# Altium PCB PFC_Stage.PcbDoc (part 3 of 5) (continued)
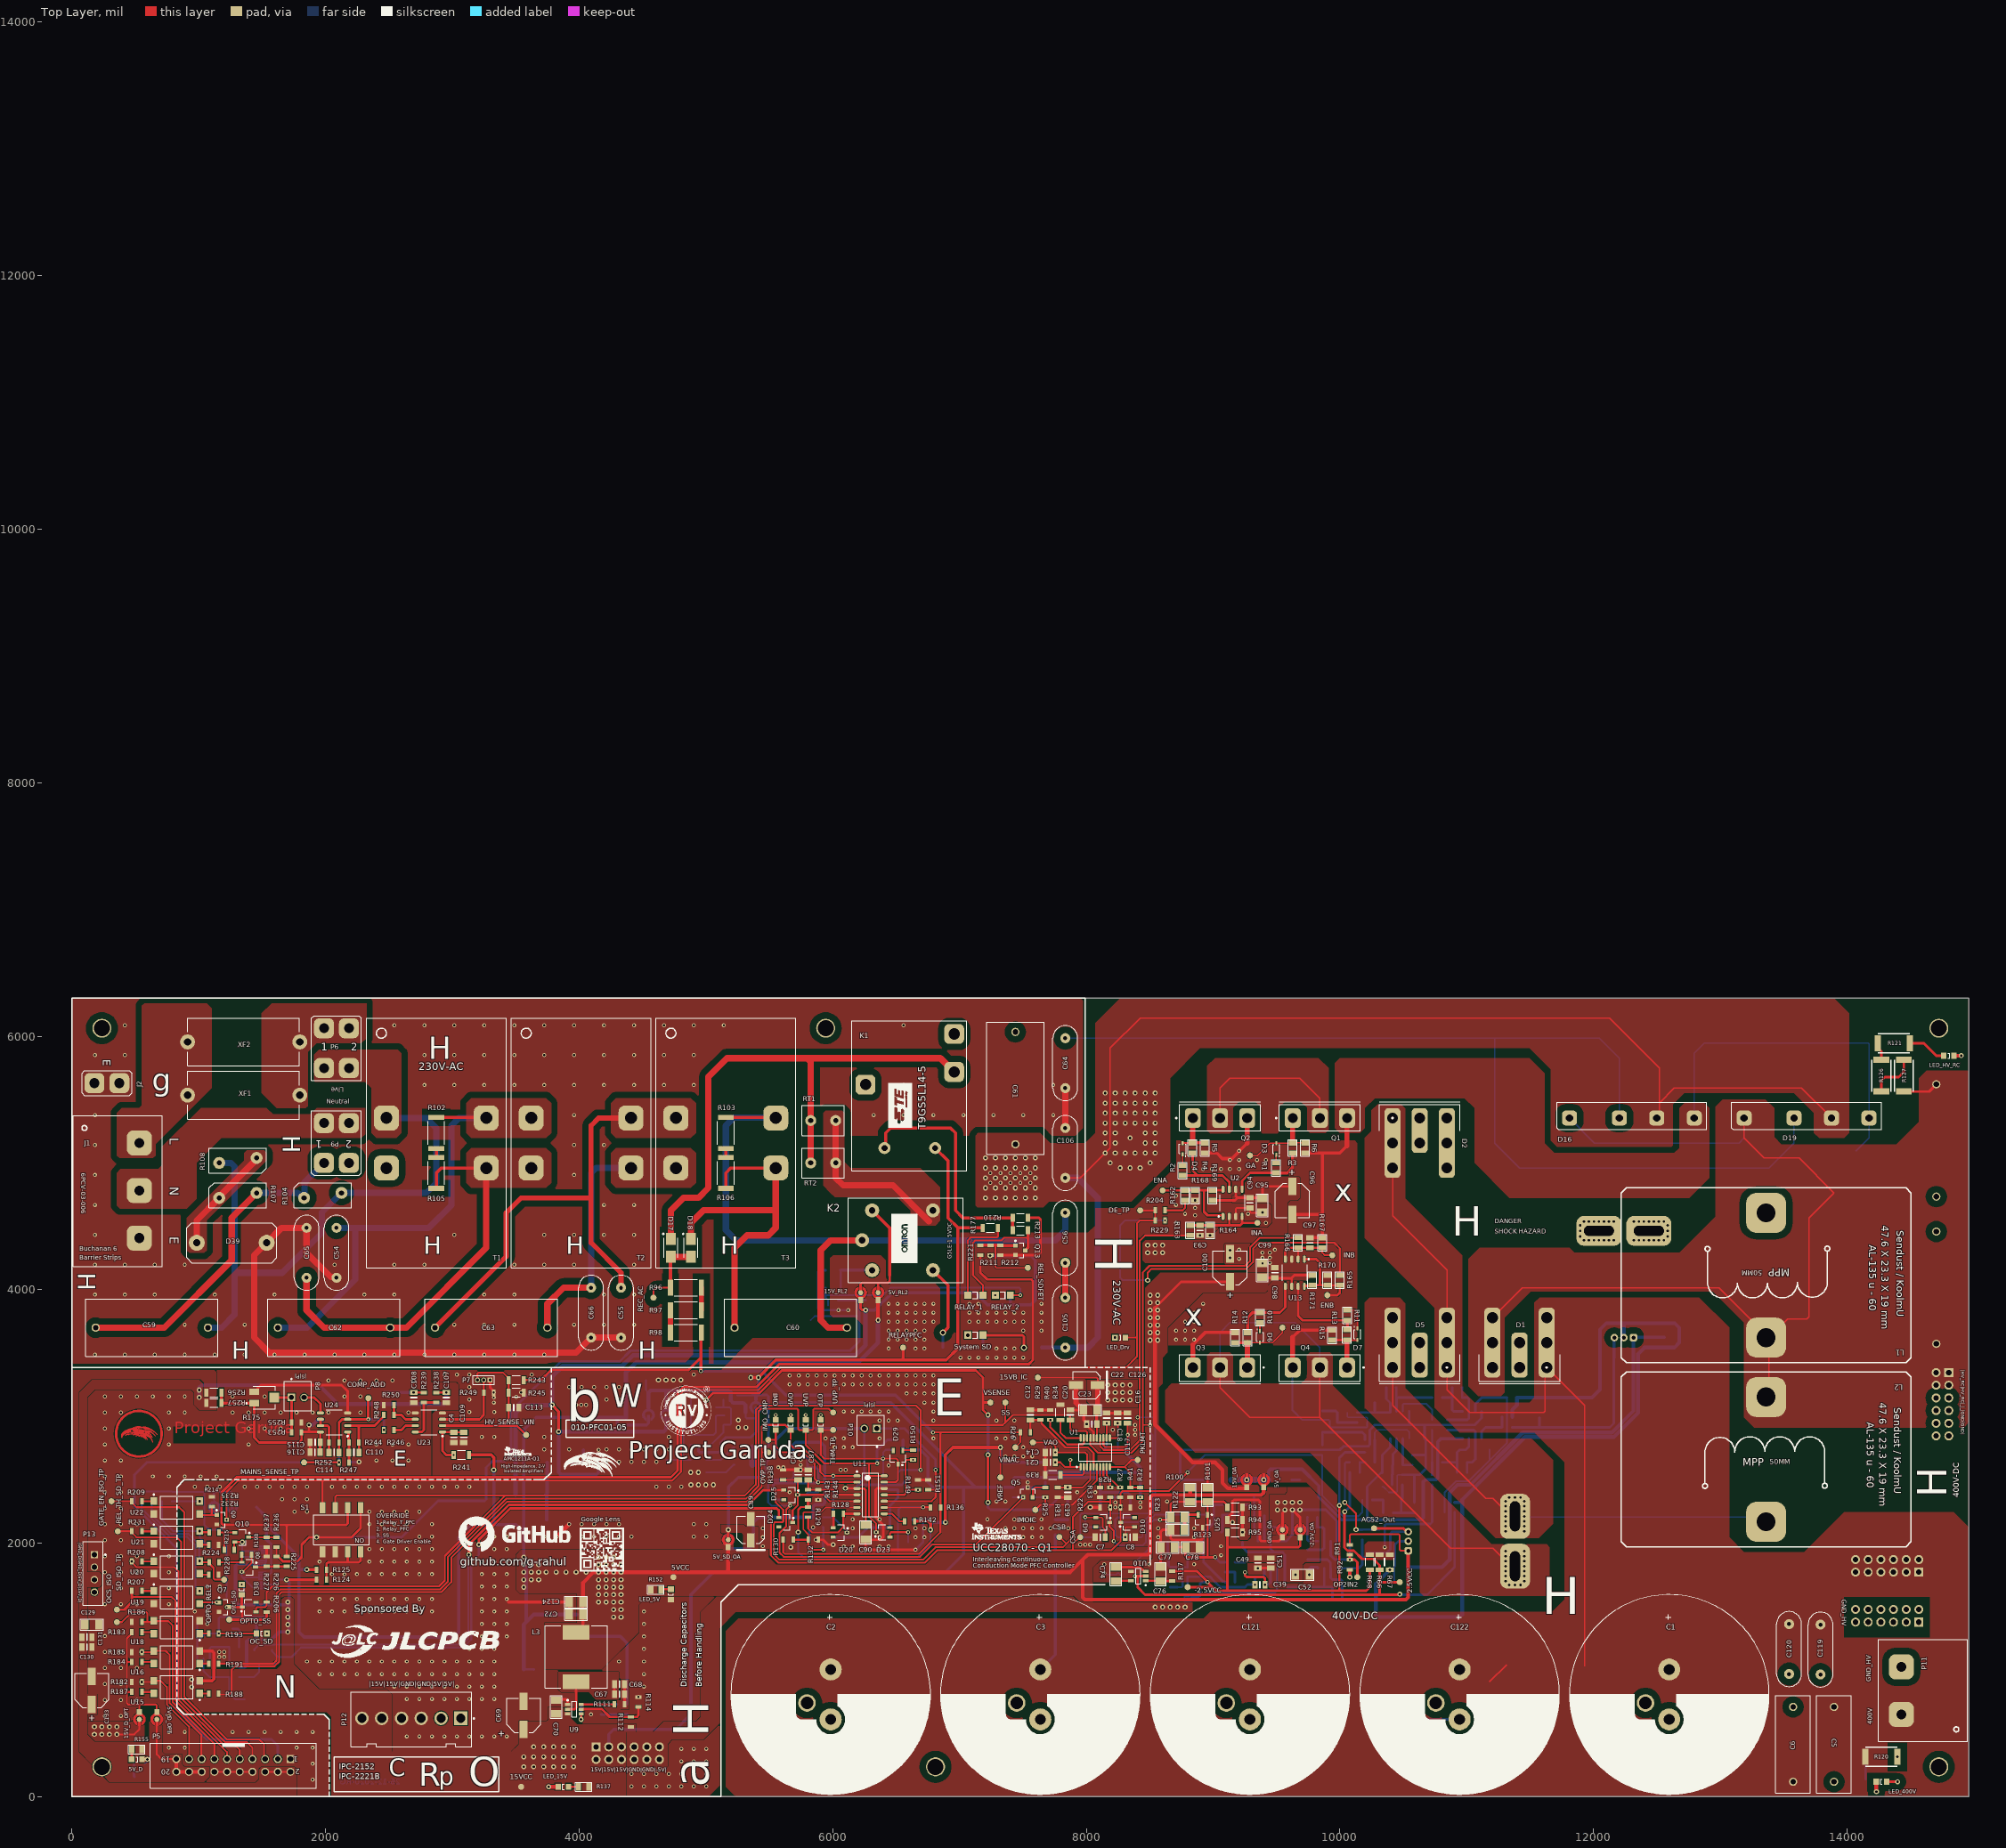
[diagram p0: Top Layer view]
## Nets (pads, with @x,y where several pads share a name; then routed paths per layer and width w, separated by ;. In a path a pad name is that pad's centre, name@x,y a point inside that pad or via, vN(x,y) a via of type N, cw(c..) or ccw(c..) an arc to the next point about the centre after c; other vN are vias at no path point) (continued)
  other v2: 5669.29,1968.5 4881.89,2460.63 4940.94,2460.63 5000,2460.63 5059.06,2460.63 4880.91,2559.06 4940.94,2559.06 5255.91,2913.39 5314.96,2913.39 5255.91,2972.44 4625.98,3287.4 4685.04,3287.4 4744.09,3287.4 4803.15,3287.4 9133.86,4251.97 9133.86,4311.02 8897.64,4428.5 8976.38,4428.5 8858.27,4704.09
HV_RC: C57.2 C58.2 D1.3 D16.1 D19.1 L1.1 L2.1 P1.1 P1.2 P1.3 P1.4 R127.2 | length 7277.4
  Top Layer w10: D1.3@11203.15,3779.53 11439.37,4015.75 12992.13,4015.75 L1.1@13385.83,3622.05 ; D19.1@13188.98,5354.33 13188.98,5196.85 13346.46,5039.37 13622.05,5039.37 13897.64,4763.78 13700.79,4566.93 13700.79,3785.39 13682.57,3767.17 13530.95,3767.17 L1.1@13385.83,3622.05 ; L2.1@13385.83,3188.98 L1.1@13385.83,3622.05
  Top Layer w20: R127.2@14448.82,5563.48 14648.12,5563.48 C57.2@14704.72,5620.08
  Bottom Layer w10: D16.1@11811.02,5354.33 12007.87,5157.48 13149.61,5157.48 13188.98,5196.85 D19.1@13188.98,5354.33
IMO_EN_3: D26.1 Q5.1 R21.1 R24.2 | length 3202.1
  Top Layer w15: v1(5664.81,2296.71) 5633.72,2265.62 5633.72,2132.65 5581.08,2080.01 5581.08,1925.94 5614.07,1892.95 6689.08,1892.95 6787.51,1991.38 7133.11,1991.38 7501.97,2360.24 v1(7501.97,2362.2)
  Bottom Layer w15: v1(5664.81,2296.71) 5517.17,2296.71 5491.52,2322.37 5491.52,2460.02 5532.7,2501.21 5668.39,2501.21 5693.9,2526.71 D26.1@5693.9,2561.02 ; R21.1@7421.26,2362.2 R24.2@7500,2362.2 v1(7501.97,2362.2)
J1L_2: J1.1 XF1.1 XF2.1
J1N_2: J1.2 P9.2
LIVE_2: C61.2 C64.2 D16.2 D17.2 D19.2 K1.2 RT1.1 RT2.1 | length 12844.7
  Top Layer w50: D17.2@4724.41,4401.57 4724.41,4625.98 4822.83,4724.41 4940.94,4724.41 5019.49,4802.95 5019.49,5679.18 5167.08,5826.77 5797.48,5826.77 ; RT2.1@5826.77,5000 RT1.1@5826.77,5334.65 5826.77,5797.48 5797.48,5826.77 ; K1.2@6958.66,5717.72 6849.61,5826.77 5797.48,5826.77
  Bottom Layer w10: C64.2@7834.65,5984.25 11220.47,5984.25 ; D16.2@12204.72,5354.33 12204.72,5826.77 12047.24,5984.25 11220.47,5984.25 ; D19.2@13558.15,5329.8 D19.2@13582.68,5354.33 13582.68,5157.48 13385.83,4960.63 11417.32,4960.63 11220.47,5157.48 11220.47,5984.25
Mains_Sense: C111.1 MAINS_SENSE_TP.1 P5.3 R247.2 R251.1 | length 5020.5
  Top Layer w15: MAINS_SENSE_TP.1@1830.71,2637.8 v1(2106.3,2637.8)
  Bottom Layer w20: P5.3@1623.62,296.85 1623.62,403.94 1574.8,452.76 1062.99,452.76 826.77,688.98 826.77,1959.33 492.13,2293.97 492.13,2539.37 590.55,2637.8 v1(2106.3,2637.8) 2105.98,2638.11 2105.98,2716.22 C111.1@2105.67,2716.54
Net5V_D_2: 5V_D.2 R155.2 | length 79.3
  Top Layer w20: 5V_D.2@470.47,295.28 471.14,295.94 471.14,373.35 R155.2@471.81,374.02
Net5V_D_OPT_1: 5V_D_OPT.1 15V_D_OPT.1 R183.2 R184.2 R187.1 | length 1012.5
  Top Layer w15: R187.1@472.44,826.77 433.07,826.77 ; R184.2@472.44,1062.99 433.07,1062.99 ; R183.2@472.44,1299.21 472.44,1288.39 433.07,1249.02 433.07,1062.99 ; 15V_D_OPT.1@531.5,669.29 531.5,722.31 525.46,728.35 ; 5V_D_OPT.1@669.29,669.29 669.29,719.56 660.5,728.35 531.5,728.35 525.46,728.35 ; 433.07,826.77 433.07,737.13 441.86,728.35 525.46,728.35 ; 433.07,826.77 433.07,1062.99
Net5V_OPT_1: 5V_OPT.1 15V_OPT.1 R200.2 R201.2 R202.2 R203.2 R205.2 R230.2 | length 1812.5
  Bottom Layer w15: R200.2@551.18,2407.48 R201.2@629.92,2407.48 R230.2@708.66,2407.48 R202.2@787.4,2407.48 789.86,2405.02 1043.31,2405.02 ; 15V_OPT.1@1122.05,2342.52 1119.59,2344.98 1119.59,2405.02 ; R203.2@1220.47,1574.8 R205.2@1220.47,2106.3 1082.68,2106.3 1043.31,2145.67 1043.31,2405.02 ; 5V_OPT.1@1262.91,2347.96 1262.91,2396.23 1254.13,2405.02 1119.59,2405.02 ; 1043.31,2405.02 1119.59,2405.02
Net5V_PNP_R1_1: 5V_PNP_R1.1 15V_PNP_R1.1 Q8.2 R198.2 | length 500.6
  Top Layer w15: v1(1339.36,1774.71) 1347.23,1774.71 1417.32,1844.8 R198.2@1417.32,1909.45
  Bottom Layer w15: v1(1339.36,1774.71) 1339.36,1736.52 1346.36,1729.52 ; 15V_PNP_R1.1@1470.98,1653.54 1422.33,1653.54 1346.36,1729.52 ; 5V_PNP_R1.1@1470.98,1729.97 1469.09,1729.97 1468.64,1729.52 1346.36,1729.52
Net5V_PNP_R2_1: 5V_PNP_R2.1 15V_PNP_R2.1 Q10.2 R215.2 | length 586.1
  Top Layer w15: R215.2@1279.53,1948.82 1279.53,2005.53 1283.68,2009.69 1343.03,2009.69 v2(1343.19,2009.53)
  Bottom Layer w15: v2(1343.19,2009.53) 1343.19,1938.67 ; 5V_PNP_R2.1@1471.6,1938.19 1463.28,1938.19 1462.81,1938.67 1343.19,1938.67 ; 15V_PNP_R2.1@1530.98,1852.38 1532.96,1854.36 1532.96,1883.6 1524.17,1892.38 1355.65,1892.38 1343.19,1904.84 1343.19,1938.67
Net5V_RL1_1: 5V_RL1.1 15V_RL1.1 Q6.2 R156.2 RD_Bypass.2 RDFET.1 | length 2260.9
  Bottom Layer w12: RDFET.1@4527.56,3287.4 4527.56,3206.84 4547.24,3187.15
  Bottom Layer w15: 5312.85,3032.25 5312.85,2994.83 5321.64,2986.05 5393.7,2986.05
  Bottom Layer w20: R156.2@4880.91,2775.59 4932.16,2775.59 4940.94,2766.8 4940.94,2725.32 4949.73,2716.54 5100.54,2716.54 5118.11,2734.11 5118.11,2795.28 5157.48,2834.65 5354.33,2834.65 5393.7,2874.02 5393.7,2986.05 RD_Bypass.2@5393.7,3070.87
  Bottom Layer w30: 5V_RL1.1@4547.24,3070.87 4547.24,3187.15 4564.82,3204.72 4700.79,3204.72 ; 15V_RL1.1@4685.04,3070.87 4685.04,3188.98 4700.79,3204.72 ; 5312.85,3032.25 5312.85,3089.71 5295.28,3107.28 5214.42,3107.28 5196.85,3124.86 5196.85,3187.15 5179.28,3204.72 Q6.2@5137.8,3204.72 4700.79,3204.72
Net5V_RL2_2: 5V_RL2.2 15V_RL2.2 K2.5 | length 1013.1
  Top Layer w20: 15V_RL2.2@6220.47,3976.38 6220.47,4043.4 6232.19,4055.12 6358.27,4055.12 ; 5V_RL2.2@6358.27,3965.2 6358.27,4055.12 ; 6450.12,4111.59 6450.12,4066.83 6438.4,4055.12 6358.27,4055.12
  Top Layer w25: K2.5@6311.02,4625.98 6450.12,4486.89 6450.12,4111.59
Net15V_D_2: 15V_D.2 R180.2 | length 98.6
  Bottom Layer w20: 15V_D.2@490.16,255.91 490.16,160.08 R180.2@492.13,158.11
NetACS1OPO_1: ACS1OPO.1 C25.2 R45.1 R50.1 R54.1 U4.1 | length 547.8
  Bottom Layer w20: R50.1@10137.8,3031.5 R54.1@10216.54,3031.5 10275.59,3031.5 ; ACS1OPO.1@10275.59,3110.24 10275.59,3031.5 ; R45.1@10366.08,3228.35 10365.75,3228.01 10365.75,3149 C25.2@10365.41,3148.66 10365.41,3138.66 10397.44,3106.63 U4.1@10397.44,3040.35 10397.44,3033.17 10395.77,3031.5 10275.59,3031.5
NetACS2OPO_1: ACS2OPO.1 C40.2 R72.1 R77.1 R81.1 U7.1 | length 471.6
  Bottom Layer w20: R77.1@9232.28,2303.15 9321.61,2303.15 9325.06,2299.7 9325.06,2217.26 C40.2@9324.72,2216.92 9325.06,2216.59 9325.06,2126.32 R72.1@9325.39,2125.98 9325.39,2115.16 9354.13,2086.42 U7.1@9354.13,2016.73 ; ACS2OPO.1@9323.33,2380.91 9324.36,2379.87 9324.36,2300.7 R81.1@9325.39,2299.67
NetC4_1: C4.1 C109.1 C112.2 R241.1 U23.1 | length 421.2
  Top Layer w15: C4.1@3011.81,2874.65 C109.1@3090.55,2874.65
  Top Layer w20: v1(3010.83,2696.85) 2952.76,2696.85 2922.24,2727.36 U23.1@2922.24,2877.76 2922.94,2877.06 3009.39,2877.06 C4.1@3011.81,2874.65
NetC7_2: C7.2 D8.1 D9.1 R16.2 | length 590.6
  Top Layer w12: v1(7992.13,2204.72) 7993.11,2203.74 8074.8,2203.74 D9.1@8075.79,2202.76 8122.89,2202.76 8129.92,2195.73 8129.92,2124.65 8150.24,2104.33 C7.2@8150.24,2047.24
  Bottom Layer w12: v1(7992.13,2204.72) 7992.13,2145.67 8009.84,2127.95 D8.1@8075.79,2127.95 8077.76,2125.98 8129.92,2125.98 8150.24,2105.67 R16.2@8150.24,2047.24
NetC8_2: C8.2 D10.1 D11.1 R17.2 | length 515.8
  Top Layer w12: C8.2@8306.46,2047.24 v1(8307.09,2047.87) 8307.09,2120.92 8314.12,2127.95 D10.1@8380.91,2127.95
  Bottom Layer w15: v1(8307.09,2047.87) R17.2@8306.46,2047.24 8248.03,2047.24 8228.35,2066.93 8228.35,2185.04 8246.06,2202.76 D11.1@8380.91,2202.76
NetC9_2: C9.2 R28.1 U1.8 | length 178.5
  Top Layer w15: U1.8@8134.84,2602.36 8134.84,2529.83 8187.45,2477.22 R28.1@8187.45,2445.7
  other v1: 8188.98,2440.94
NetC10_2: C10.2 R27.2 U1.9 | length 212.2
  Top Layer w15: U1.9@8160.43,2602.36 8160.43,2537.4 8256.89,2440.94 R27.2@8267.72,2440.94
  other v1: 8267.72,2441.57
NetC11_1: C11.1 IMOIC.1 R18.2 R25.1 U1.6 | length 834.4
  Top Layer w15: IMOIC.1@7598.43,2263.78 7637.8,2303.15 7696.85,2303.15 ; R25.1@7677.17,2362.2 v1(7677.17,2361.22) 7677.17,2322.83 7696.85,2303.15 ; U1.6@8083.66,2602.36 8083.66,2495.17 7891.65,2303.15 7696.85,2303.15
  Bottom Layer w15: C11.1@7598.43,2361.57 7676.81,2361.57 v1(7677.17,2361.22)
NetC12_1: C12.1 R26.1 R29.1 U1.5 | length 825.6
  Top Layer w15: R26.1@7559.06,2874.02 C12.1@7559.06,2971.81 7559.37,2972.13 7637.48,2972.13 R29.1@7637.8,2972.44 7639.32,2972.44 7645.6,2966.16 7645.6,2944.95 7834.65,2755.91 8011.81,2755.91 8058.07,2709.65 U1.5@8058.07,2602.36
NetC13_1: C13.1 C14.1 U1.3 VAO.1 | length 594.3
  Top Layer w15: VAO.1@7578.74,2795.28 7725.59,2795.28 7756.55,2764.32 v1(7756.55,2716.54) 7992.13,2716.54 8006.37,2702.29 8006.37,2602.88 U1.3@8006.89,2602.36
NetC13_2: C13.2 R35.1 | length 79.4
  Bottom Layer w15: C13.2@7676.54,2716.54 7676.85,2716.85 7676.85,2794.96 R35.1@7677.17,2795.28 R35.1@7676.85,2795.59
NetC15_1: C15.1 C16.1 CAB.1 U1.11 | length 384.1
  Top Layer w15: U1.11@8186.02,2830.71 8239.24,2830.71 8248.03,2839.5 v1(8248.02,2947.07)
  Bottom Layer w15: CAB.1@8248.03,2736.22 v1(8248.02,2947.07)
NetC15_2: C15.2 R36.1 | length 78.5
  Bottom Layer w15: C15.2@8248.02,3027.07 8248.36,3026.72 8325.94,3026.72 R36.1@8326.28,3026.38
NetC17_1: C17.1 C18.1 CAO.1 U1.12 | length 337.4
  Top Layer w15: U1.12@8160.43,2830.71 8160.43,2946.78 v1(8161.07,2947.41)
  Bottom Layer w15: CAO.1@8138.71,2736.22 8138.71,2738.77 8161.07,2761.13 v1(8161.07,2947.41)
NetC17_2: C17.2 R37.1 | length 79.8
  Bottom Layer w15: R37.1@8081.47,3027.84 8160.63,3027.84 C17.2@8161.07,3027.41
NetC19_1: C19.1 R30.1 R31.1 U1.4 | length 383.4
  Top Layer w15: R31.1@7775.59,2440.32 7775.91,2440.63 7854.02,2440.63 v1(7854.33,2440.94) 7972.44,2440.94 8032.48,2500.98 U1.4@8032.48,2602.36
NetC21_1: C21.1 CDR.1 R38.1 U1.1 | length 269
  Top Layer w12: 7874.02,2602.36 v1(7874.02,2657.48)
  Top Layer w15: v1(7756.54,2637.8) 7795.28,2637.8 7830.71,2602.36 7874.02,2602.36 U1.1@7955.71,2602.36
NetC24_1: C24.1 R42.1 R43.2 U4.6 | length 283.6
  Bottom Layer w20: U4.6@10497.44,2825.79 10497.44,2693.19 R43.2@10498.35,2692.29 10497.69,2691.62 10497.69,2618.77 C24.1@10497.03,2618.11 10497.86,2617.27 R42.1@10571.7,2617.27
NetC24_2: C24.2 R43.1 R49.1 R53.1 U4.7 | length 379.3
  Bottom Layer w20: R49.1@10413.39,2460.63 R53.1@10413.39,2539.37 10415.21,2541.19 10415.21,2616.29 C24.2@10417.03,2618.11 10418.32,2619.4 10418.32,2690.99 R43.1@10419.61,2692.29 10419.61,2703.11 10447.44,2730.95 U4.7@10447.44,2825.79
NetC25_1: C25.1 R44.1 R45.2 U4.2 | length 473
  Bottom Layer w20: R45.2@10444.82,3228.35 10445.12,3228.05 10445.12,3148.96 C25.1@10445.41,3148.66 ; U4.2@10447.44,3040.35 10447.44,3146.63 C25.1@10445.41,3148.66 ; R44.1@10728.35,3149.61 10445.41,3149.61 C25.1@10445.41,3148.66
NetC27_1: C27.1 R46.1 R52.2 U3.2 | length 465.8
  Bottom Layer w20: R52.2@10846.46,2972.44 11006.59,2972.44 11018.31,2984.16 U3.2@11018.31,3040.35 11018.31,3135.24 11003.94,3149.61 C27.1@10965.2,3149.61 10964.88,3149.92 10964.88,3228.03 R46.1@10964.57,3228.35
NetC27_2: C27.2 R44.2 R46.2 U3.1 | length 342.6
  Bottom Layer w20: R44.2@10807.09,3149.61 C27.2@10885.2,3149.61 ; R46.2@10885.83,3228.35 10885.51,3228.03 10885.51,3149.92 C27.2@10885.2,3149.61 ; U3.1@10968.31,3040.35 10896.91,3040.35 10885.2,3052.07 C27.2@10885.2,3149.61
NetC28_2: C28.2 D13.2 R48.1 R50.2 | length 359.7
  Bottom Layer w20: D13.2@9862.2,3043.31 9968.5,3043.31 9980.32,3031.5 R48.1@9980.32,2952.76 9980.63,2952.44 10058.74,2952.44 C28.2@10059.06,2952.13 10059.37,2952.44 10137.48,2952.44 R50.2@10137.8,2952.76
NetC29_2: C29.2 D12.2 R47.1 R49.2 | length 390.6
  Bottom Layer w20: R47.1@10421.34,2240.79 10421.44,2240.68 10484.65,2240.68 ; R49.2@10492.13,2460.63 10492.13,2350.39 D12.2@10484.25,2342.52 10484.25,2241.08 10484.65,2240.68 ; C29.2@10588.52,2240.68 10484.65,2240.68
NetC30_1: C30.1 R58.1 R59.2 U3.7 | length 451
  Bottom Layer w20: R59.2@10807.09,2637.8 10862.72,2637.8 C30.1@10924.57,2637.8 ; R58.1@10925.2,2559.06 10924.88,2559.37 10924.88,2637.48 C30.1@10924.57,2637.8 ; U3.7@11018.31,2825.79 11018.31,2762.31 10992.22,2736.22 10944.88,2736.22 10925.2,2716.54 10925.2,2638.43 C30.1@10924.57,2637.8
NetC30_2: C30.2 R52.1 R58.2 U3.6 | length 599
  Bottom Layer w20: R52.1@10846.46,2893.7 11056.59,2893.7 11068.31,2881.99 11068.31,2662.8 11043.31,2637.8 C30.2@11004.57,2637.8 11004.25,2637.48 11004.25,2559.37 R58.2@11003.94,2559.06
NetC31_2: C31.2 R176.1 U3.5 | length 314.2
  Bottom Layer w20: U3.5@11118.31,2825.79 11118.31,2881.99 11149.71,2913.39 R176.1@11279.53,2913.39 C31.2@11279.53,2997.13
NetC39_1: C39.1 R69.1 R70.2 U7.6 | length 406.5
  Top Layer w20: v1(9251.97,1771.65) 9251.97,1745.17 9263.68,1733.45 9398.36,1733.45 9410.08,1721.74 C39.1@9410.08,1673.23
  Bottom Layer w20: v1(9409.44,1673.23) 9437.1,1673.23 9454.13,1690.26 U7.6@9454.13,1802.17
NetC39_2: C39.2 R70.1 R76.1 R80.1 U7.7 | length 842.2
  Bottom Layer w20: R76.1@8799.21,1653.54 R80.1@8799.21,1732.28 8802.31,1735.38 8975.24,1735.38 9008.17,1702.45 9057.08,1653.54 9112.16,1653.54 9251.97,1653.54 9271.66,1673.24 v1(9330.71,1673.24) 9330.71,1720.57 9342.42,1732.28 9392.42,1732.28 9404.13,1744 U7.7@9404.13,1802.17
NetC40_1: C40.1 R71.1 R72.2 U7.2 | length 382.9
  Bottom Layer w20: U7.2@9404.13,2016.73 R72.2@9404.13,2125.98 ; C40.1@9404.72,2216.92 9404.43,2216.63 9404.43,2126.28 R72.2@9404.13,2125.98 ; R71.1@9586.61,2125.98 R72.2@9404.13,2125.98
NetC42_1: C42.1 R73.1 R79.2 U6.2 | length 424.9
  Bottom Layer w20: R79.2@9744.09,1948.82 9862.2,1948.82 9876.57,1963.19 U6.2@9876.57,2016.73 9876.57,2111.61 9862.2,2125.98 C42.1@9823.46,2125.98 9823.15,2126.3 9823.15,2204.41 R73.1@9822.83,2204.72
NetC42_2: C42.2 R71.2 R73.2 U6.1 | length 342.6
  Bottom Layer w20: R71.2@9665.35,2125.98 C42.2@9743.46,2125.98 ; R73.2@9744.09,2204.72 9743.78,2204.41 9743.78,2126.3 C42.2@9743.46,2125.98 ; U6.1@9826.57,2016.73 9755.18,2016.73 9743.46,2028.45 C42.2@9743.46,2125.98
NetC43_2: C43.2 D15.2 R75.1 R77.2 | length 299.1
  Bottom Layer w20: D15.2@9066.93,2086.61 9074.8,2094.49 R75.1@9074.8,2224.41 9075.12,2224.09 9153.23,2224.09 C43.2@9153.54,2223.78 9153.86,2224.09 9231.97,2224.09 R77.2@9232.28,2224.41
NetC44_2: C44.2 D14.2 R74.1 R76.2 | length 386
  Bottom Layer w15: R76.2@8720.47,1653.54 8751.06,1653.54 8759.84,1662.33 8759.84,1802.24 8768.63,1811.02 R74.1@8799.21,1811.02
  Bottom Layer w20: C44.2@8662.05,1653.54 R76.2@8720.47,1653.54 ; D14.2@8791.34,1909.45 8799.21,1901.57 R74.1@8799.21,1811.02
NetC45_1: C45.1 R85.1 R86.2 U6.7 | length 423.8
  Bottom Layer w20: R86.2@9744.09,1653.54 9876.57,1653.54 ; U6.7@9876.57,1802.17 9876.57,1653.54 ; R85.1@9940.94,1574.8 9940.63,1575.12 9940.63,1653.23 C45.1@9940.32,1653.54 9890.32,1653.54 9876.57,1653.54
NetC45_2: C45.2 R79.1 R85.2 U6.6 | length 541.4
  Bottom Layer w20: R79.1@9744.09,1870.08 9901.57,1870.08 9925.88,1845.77 9925.88,1802.86 U6.6@9926.57,1802.17 9926.57,1726.97 9940.94,1712.6 10008.28,1712.6 10019.06,1701.83 10019.06,1654.17 10020,1653.23 10020,1575.12 R85.2@10019.69,1574.8
NetC54_2: C54.2 C62.2 R102.1 T1.4 T2.3 | length 3479.4
  Top Layer w25: R102.1@2874.02,5358.27 3263.78,5358.27 T1.4@3267.72,5354.33
  Bottom Layer w50: C62.2@1624.02,3700.79 1854.66,3700.79 2234.01,4080.14 2234.01,4488.19 ; C54.2@2086.61,4488.19 2234.01,4488.19 ; T1.4@3267.72,5354.33 3051.18,5354.33 2992.13,5295.28 2992.13,4665.35 2814.96,4488.19 2234.01,4488.19
NetC55_2: C55.2 C63.2 T2.4 T3.3 | length 3572.9
  Top Layer w39.37: C63.2@2864.17,3700.79 3425.2,4261.81 3425.2,4606.3 3543.31,4724.41 4094.49,4724.41 ; C55.2@4330.71,4015.75 4330.71,4133.86 4094.49,4370.08 4094.49,4724.41 ; T2.4@4409.45,5354.33 4153.54,5354.33 4094.49,5295.28 4094.49,4724.41
NetC56_1: C56.1 C105.2 | length 275.6
  Top Layer w50: C105.2@7834.65,3937.01 C56.1@7834.65,4212.6
NetC56_2: C56.2 C60.2 K1.1 K2.1 R103.1 T3.4 | length 5665.4
  Top Layer w20: T3.4@5547.24,5358.27 T3.4@5551.18,5354.33
  Top Layer w25: R103.1@5157.48,5358.27 T3.4@5547.24,5358.27
  Top Layer w50: C60.2@6112.2,3700.79 5964.57,3700.79 5905.51,3759.84 5905.51,4311.02 5984.25,4389.76 K2.1@6232.28,4389.76
  Bottom Layer w50: T3.4@5551.18,5354.33 5547.24,5358.27 5220.47,5358.27 5157.48,5295.28 5157.48,4468.5 5236.22,4389.76 K2.1@6232.28,4389.76 7755.91,4389.76 7834.65,4468.5 C56.2@7834.65,4606.3
NetC59_1: C59.1 P9.1 R104.1 R107.2 T1.1 | length 2637.2
  Top Layer w50: C59.1@187.01,3700.79 728.35,3700.79 1259.84,4232.28 1259.84,4566.93 R107.2@1456.69,4763.78
  Bottom Layer w50: R107.2@1456.69,4763.78 1779.3,4763.78 1818.67,4724.41 R104.1@1830.71,4724.41 1834.84,4728.54 1834.84,4846.65 P9.1@1988.19,5000
NetC59_2: C59.2 P6.2 R104.2 R108.2 T1.3 | length 4393.1
  Bottom Layer w50: C59.2@1072.83,3700.79 1181.1,3700.79 1283.66,3803.35 1283.66,4133.86 ; R108.2@1161.42,5000 1254.37,5000 1283.66,4970.71 1283.66,4133.86 ; T1.3@2480.31,5354.33 2795.28,5354.33 2874.02,5275.59 2874.02,4842.52 2795.28,4763.78 R104.2@2125.98,4763.78 1972.24,4610.04 1972.24,4448.3 1657.81,4133.86 1283.66,4133.86
NetC62_1: C62.1 C65.1 R105.2 T1.2 T2.1 | length 3153.2
  Top Layer w25: R105.2@2874.02,4799.21 2874.02,4921.26 2913.39,4960.63 T1.2@3267.72,4960.63
  Top Layer w50: C65.1@1850.39,4094.49 1850.39,3838.58 1988.19,3700.79 C62.1@2509.84,3700.79 2637.8,3700.79 3267.72,4330.71 T1.2@3267.72,4960.63
NetC63_1: C63.1 C66.1 T2.2 T3.1 | length 1821.3
  Top Layer w50: C63.1@3750,3700.79 3750,3887.8 3877.95,4015.75 C66.1@4094.49,4015.75
  Bottom Layer w50: C66.1@4094.49,4015.75 4094.49,4921.26 4133.86,4960.63 T2.2@4409.45,4960.63
NetC67_1: C67.1 C68.1 R111.1 | length 167.7
  Top Layer w20: R111.1@4358.27,730.32 4358.58,730.63 4358.58,798.74 C67.1@4358.9,799.06 ; C67.1@4358.9,809.06 C67.1@4358.9,799.06 ; C68.1@4358.9,887.8 C67.1@4358.9,799.06
NetC67_2: C67.2 C68.2 L3.1 U9.2 | length 355.9
  Top Layer w20: U9.2@3909.18,690.65 3964.66,690.65 3976.38,702.37 L3.1@3976.38,907.48 ; C67.2@4278.9,809.06 C68.2@4278.9,887.8
NetC73_1: C73.1 R115.1 R116.2 U9.4 | length 435.5
  Top Layer w20: v2(4015.75,610.24) 4016.6,611.09 4016.6,652.4 U9.4@4017.45,653.25
  Bottom Layer w20: v2(4015.75,610.24) 4015.75,708.66 4035.43,728.35 R116.2@4094.49,728.35 R115.1@4173.23,728.34 ; R115.1@4173.23,728.34 4173.54,728.65 4297.56,728.65 C73.1@4299.84,730.94
NetC73_2: C73.2 R113.1 R115.2 | length 206.4
  Bottom Layer w20: R115.2@4173.23,649.6 4173.54,649.28 4298.19,649.28 4300.16,651.26 4378.26,651.26 R113.1@4378.58,651.57
NetC74_1: C74.1 U10.5 | length 119.9
  Top Layer w20: C74.1@8233.27,1701.72 8235.24,1703.69 U10.5@8352.36,1703.69
NetC74_2: C74.2 U10.3 | length 249
  Top Layer w20: C74.2@8233.27,1811.72 8424.45,1811.72 8454.88,1781.29 8465.71,1781.29 U10.3@8468.5,1778.49
NetC76_2: C76.2 R117.1 U10.1 | length 209.4
  Top Layer w20: U10.1@8468.5,1703.69 8584.61,1703.69 C76.2@8586.58,1701.72 8586.89,1701.41 R117.1@8677,1701.41
NetC80_1: C80.1 C81.2 R130.2 R132.1 U11.6 | length 1151.4
  Top Layer w12: R132.1@5807.09,2027.56 5807.09,2070.17 5767.72,2109.54 5767.72,2238.64 5774.75,2245.67 5907.09,2245.67 5943.31,2281.89 U11.6@6191.93,2281.89
  Top Layer w15: R132.1@5807.09,2027.56 5807.09,1968.5 5826.77,1948.82 v1(5925.2,1948.82)
  Top Layer w20: R130.2@5688.98,2027.56 R132.1@5807.09,2027.56
  Bottom Layer w20: v1(5925.2,1948.82) 5925.83,1949.45 5925.83,2026.34 C80.1@5927.05,2027.56 5927.05,2124.76 C81.2@5925.83,2125.98
NetC82_1: C82.1 C84.2 D22.3 D24.3 D25.3 R138.1 U11.5 | length 1130.2
  Top Layer w15: R138.1@5610.24,2500 5610.55,2499.69 5728.03,2499.69 C84.2@5728.35,2499.37 5723.43,2494.45 v1(5723.43,2381.89) ; D24.3@5684.06,2165.35 5684.06,2258.86 5723.43,2298.23 v1(5723.43,2381.89) ; U11.5@6191.93,2331.89 5976.26,2331.89 5926.26,2381.89 v1(5723.43,2381.89)
  Bottom Layer w15: v1(5723.43,2381.89) 5787.79,2381.89 5806.84,2400.94 C82.1@5885.83,2400.94
NetC82_2: C82.2 D26.3 IMO.1 IMO_CMP.1 R134.1 R139.2 U11.2 | length 1741.3
  Top Layer w15: IMO_CMP.1@5492.13,2814.96 5551.18,2814.96 ; IMO.1@5551.18,2891.73 5551.18,2814.96 ; v1(5885.83,2480.32) 5858.63,2507.51 5858.63,2625.62 5767.72,2716.54 5599.34,2716.54 5551.18,2764.69 5551.18,2814.96 ; v1@5886.71,2481.2 U11.2@6191.24,2481.2
  Top Layer w20: v1(5885.83,2480.32) v1@5886.71,2481.2 ; U11.2@6191.24,2481.2 U11.2@6191.93,2481.89
  Bottom Layer w20: R134.1@5531.5,2421.26 5531.5,2464.12 5543.21,2475.83 5880.71,2475.83 C82.2@5885.83,2480.94 ; R139.2@5767.72,2716.54 5767.72,2705.71 5802.17,2671.26 D26.3@5802.17,2598.43 5866.14,2598.43 5885.83,2578.74 C82.2@5885.83,2480.94 ; v1(5885.83,2480.32) C82.2@5885.83,2480.94
NetC83_1: C83.1 D23.1 R135.1 | length 254.1
  Top Layer w15: D23.1@6451.77,2049.21 6451.77,2077.67 6460.56,2086.46 v1(6594.96,2086.46)
  Bottom Layer w15: R135.1@6594.49,2007.87 6594.8,2008.19 6594.8,2086.3 v1(6594.96,2086.46)
NetC83_2: C83.2 C85.1 C86.2 R135.2 R136.2 R140.1 U11.9 | length 962.6
  Top Layer w15: U11.9@6406.5,2281.89 v1@6712.6,2281.89 ; v1(6712.6,2283.46) R136.2@6771.65,2283.46
  Bottom Layer w15: C86.2@6514.84,1937.27 6515.3,1937.72 6515.3,2008.05 6515.43,2008.19 6515.43,2086.3 C83.2@6515.12,2086.61 6515.12,2180.35 C85.1@6519.8,2185.04 6519.8,2267.83 6535.43,2283.46 v1(6712.6,2283.46) R140.1@6777.93,2283.46
NetC87_1: C87.1 R143.2 R144.1 U11.4 | length 479.3
  Top Layer w15: C87.1@5807.09,2499.37 R143.2@5807.09,2421.26 R144.1@5885.83,2421.26 6003.94,2421.26 6043.31,2381.89 U11.4@6191.93,2381.89
NetC88_2: C88.2 OTP_REF.1 R147.1 R149.2 R150.2 U11.11 | length 670.1
  Top Layer w15: U11.11@6406.5,2381.89 6566.02,2381.89 6574.8,2390.68 6574.8,2421.26 ; v1(6633.86,2657.48) 6583.59,2657.48 6574.8,2648.69 6574.8,2539.37 6574.8,2421.26 ; R149.2@6673.23,2421.26 6574.8,2421.26
  Bottom Layer w10: R147.1@6594.49,2421.26 6594.8,2420.94 6672.91,2420.94 v1(6673.23,2420.63)
NetC92_2: C92.2 R157.1 R158.2 R160.2 RDSH.1 U12.2 | length 1176.5
  Bottom Layer w15: RDSH.1@4685.04,2657.48 4822.83,2657.48 ; R160.2@4880.91,2657.48 4822.83,2657.48 ; R157.1@4880.91,3129.92 4880.91,3036.54 C92.2@4885.94,3031.5 4880.91,3026.46 R158.2@4880.91,2913.39 ; U12.2@5145.67,3009.84 5087.53,3009.84 5078.74,3001.06 5078.74,2874.02 5059.06,2854.33 4889.69,2854.33 4880.91,2863.12 R158.2@4880.91,2913.39 ; 4822.83,2657.48 4822.83,2893.7 4842.52,2913.39 R158.2@4880.91,2913.39
NetC93_1: C93.1 INA.1 R163.2 R164.2 U2.2 U2.4 | length 663.1
  Top Layer w20: R163.2@8818.9,4508.5 C93.1@8897.64,4508.5 R164.2@8976.38,4508.5 9128.54,4508.5 ; U2.2@9128.54,4577.76 9128.54,4508.5 ; U2.4@9228.54,4577.76 9228.54,4523.82 ; INA.1@9350.39,4527.56 9232.28,4527.56 9228.54,4523.82 ; 9128.54,4508.5 9129.17,4507.87 9212.6,4507.87 9228.54,4523.82
NetC97_1: C97.1 INB.1 R166.2 R167.2 U13.2 U13.4 | length 587.3
  Top Layer w15: R167.2@9862.2,4330.08 9862.2,4291.34 9881.89,4271.65 INB.1@9940.94,4271.65
  Top Layer w20: U13.4@9570.67,4241.14 9570.67,4314.76 9586.61,4330.71 R166.2@9670.52,4330.7 ; U13.2@9670.67,4241.14 9670.52,4241.29 R166.2@9670.52,4330.7 ; R167.2@9862.2,4330.08 C97.1@9763.78,4330.08 9763.47,4330.39 9670.83,4330.39 R166.2@9670.52,4330.7